# KiCad board for_real_486_2.kicad_pcb (continued)
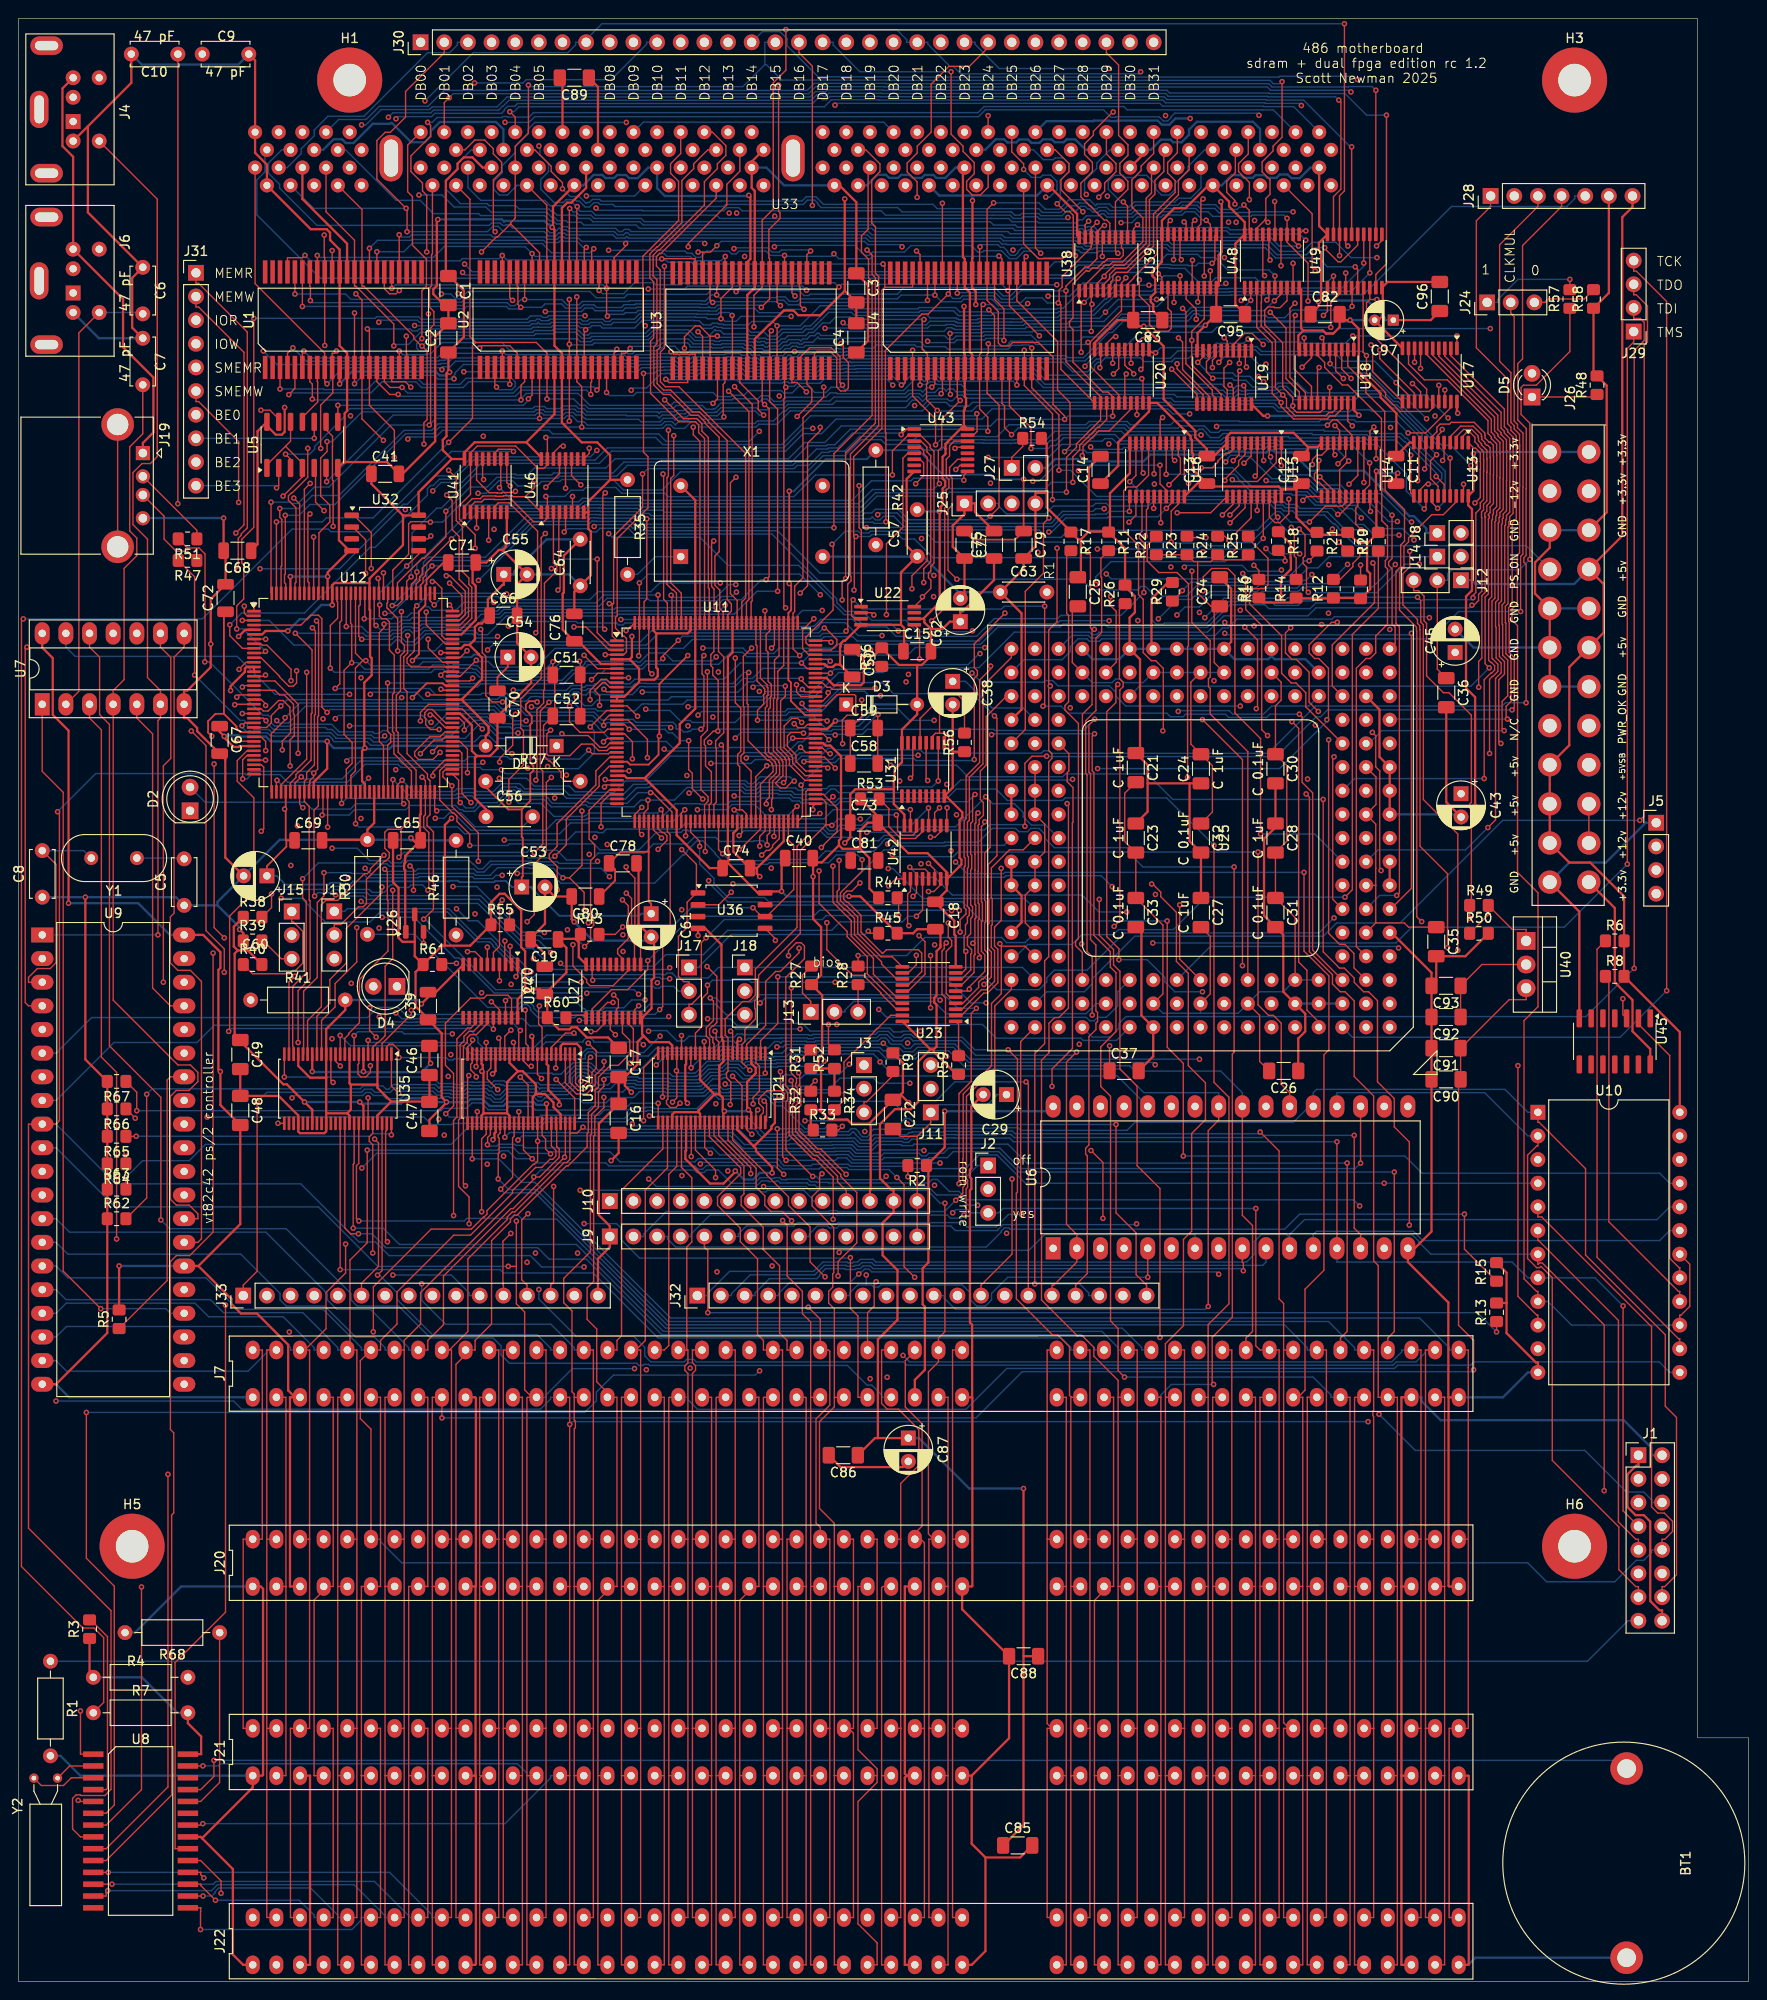
[diagram p0: board, top side]
## Routing (per net, layer and track width the routed paths; a pad name or vN(x,y) marks a point on that pad's centre or on a via; arc(x,y) is an arc through that point) (continued)
RESET: length 169.1
  Top w0.15: U42.10 99.05,123.5 98.44,122.9 v1(97.95,122.9) ; U12.73 47.26,129.02 47.26,126.79 v1(47.43,126.62) ; U11.39 67.18,125.52 67.6,125.94 v1(67.6,126.88) ; U31.10 98.78,128.94 v1(98.78,128.94) ; v1(0.89,143.31) 0.71,143.14 0.71,105.14 1.06,104.78 U9.4
  In1.Cu w0.15: 10.16,143.31 10.39,143.07 22.78,143.07 23.14,143.43 28.94,143.43 31.52,140.85 31.52,140.47 40.81,131.18 40.93,131.18 41.53,130.57 41.53,130.34 45.11,126.76 47.29,126.76 v1(47.43,126.62) ; 10.16,143.31 U7.11 ; 10.16,143.31 v1(0.89,143.31)
  In2.Cu w0.15: v1(98.78,128.94) 98.33,128.49 98.33,123.28 v1(97.95,122.9)
  Bottom w0.15: v1(47.43,126.62) 48.01,126.04 48.83,126.04 49.16,126.38 49.16,126.49 49.27,126.6 51.38,126.6 51.73,126.96 51.73,127.05 52.27,127.59 53.14,127.59 53.33,127.4 53.57,127.4 54.02,126.95 56.42,126.95 57.21,126.17 60.16,126.17 60.27,126.28 60.38,126.28 60.46,126.37 60.94,126.37 61.14,126.17 66.1,126.17 66.81,126.88 v1(67.6,126.88) 70.44,126.88 71.81,128.24 72.31,128.24 72.34,128.27 77.78,128.27 78.1,127.94 79.2,127.94 79.55,128.3 81.82,128.3 81.93,128.19 83.47,128.19 83.74,127.92 84.28,127.92 84.47,128.11 86.77,128.11 87.09,128.42 92.3,128.42 92.42,128.3 98.14,128.3 v1(98.78,128.94)
rom_en: length 153.8
  Top w0.15: U6.22 136.52,95.46 135.62,96.36 135.62,102.92 134.78,103.76 134.27,103.76 133.13,104.89 v1(133.13,121.3) ; U11.55 75.18,121.57 v1(75.63,121.12)
  In1.Cu w0.15: v1(61.2,113.69) 62.74,115.24 65.24,115.24 65.81,115.8 65.81,115.92 69.44,119.54 74.05,119.54 v1(75.63,121.12)
  In2.Cu w0.15: v1(61.2,113.69) 61.39,113.49 61.39,109.28 59.87,107.75 59.87,107.39 59.65,107.17 59.65,102.97 59.75,102.87 59.75,102.6 60.48,101.87 60.48,101.87 59.68,101.07 59.68,100.32 59.45,100.08 59.45,100.02 59.44,100.01 59.44,97.55 59.12,97.23 59.12,96.27 58.98,96.14 58.98,96.07 58.95,96.03 58.95,94.87 58.95,94.86 58.95,94.78 59.08,94.66 59.08,91.14 59.37,90.85 59.37,89.4 59.57,89.2 59.57,88.14 59.37,87.95 59.37,75.11 59.69,74.79 J33.15
  Bottom w0.15: v1(133.13,121.3) 119.75,121.3 119.29,121.77 111.25,121.77 110.21,122.81 110.21,123.24 109.6,123.84 108.72,123.84 108.37,123.49 107.46,123.49 107.1,123.85 104.59,123.85 103.12,122.37 99.48,122.37 99.4,122.29 94.03,122.29 93.59,122.74 93.11,122.74 92.77,122.4 92.77,122.31 91.86,121.4 86.65,121.4 85.75,120.5 80.46,120.5 80.34,120.38 76.37,120.38 v1(75.63,121.12)
rtc_en: length 140.3
  Top w0.15: U8.20 16.8,14.25 16.8,34.24 22.22,39.66 v1(22.22,72.65) ; v1(71.64,123.04) 71.68,123.08 U11.48
  In1.Cu w0.15: v1(71.22,115.11) 69.68,113.56 66.87,113.56 61.02,107.7 61.02,107.1 56.07,102.15 56.07,101.59 52.52,98.05 50.67,98.05 50.33,97.71 50.33,97 46.46,93.13 46.46,92.96 46.12,92.62 45.96,92.62 36.93,83.59 31.97,83.59 22.22,73.84 v1(22.22,72.65)
  In2.Cu w0.15: v1(71.22,115.11) 71.8,115.68 71.8,122.88 v1(71.64,123.04)
S1: length 93.8
  Top w0.15: v1(25.26,178.63) 25.26,156.18 23.97,154.89 23.97,152.32 24.18,152.12 24.18,148.49 23.43,147.74 v1(23.43,145.27) ; U12.10 26.34,142.68 v1(26.52,142.86)
  In2.Cu w0.15: v1(60.84,178.91) 60.84,184.24 65.84,189.24 65.84,194.61 U33.30
  Bottom w0.15: v1(60.84,178.91) 56.95,178.91 56.81,178.78 56.76,178.72 56.28,178.72 56.11,178.89 54.98,178.89 54.63,178.54 43.22,178.54 42.97,178.79 38.44,178.79 38.29,178.63 v1(25.26,178.63) ; v1(26.52,142.86) 24.11,145.27 v1(23.43,145.27)
S2: length 105.3
  Top w0.15: U12.9 24.04,143.18 22.69,144.54 v1(22.69,145.71)
  In2.Cu w0.15: U33.45 91.78,191.98 91.78,182.84 87.92,178.98 87.92,176.31 87.77,176.16 87.77,169.49 85.3,167.03 v1(85.3,166.81)
  Bottom w0.15: v1(22.69,145.71) 23.95,146.97 30.69,146.97 37.75,154.03 38.31,154.03 43.91,159.64 43.91,160.33 44.25,160.67 44.53,160.67 45.22,161.36 46.82,161.36 48.87,163.4 61.92,163.4 63.23,164.72 82.16,164.72 84.26,166.81 v1(85.3,166.81)
SA0: length 162.1
  Top w0.15: v1(43.93,199.68) 44.25,199.36 44.25,198.19 42.14,196.08 42.14,194.39 43.38,193.15 43.38,192.31 43.84,191.85 v1(43.84,185.76) ; v1(45.36,138.79) 45.47,138.68 U12.91
  In1.Cu w0.15: v1(47.19,181.29) 47.19,182.4 v1(43.84,185.76)
  In2.Cu w0.15: v1(47.19,181.29) 48.39,180.09 48.39,171.45 47.76,170.81 47.76,153.52 47.22,152.98 47.22,146.93 46.18,145.89 46.18,139.61 v1(45.36,138.79)
  Bottom w0.15: v1(43.93,199.68) 44.42,199.68 44.94,200.2 51.93,200.2 52.03,200.3 52.47,200.3 52.52,200.24 54.82,200.24 55.3,200.72 103.04,200.72 103.7,201.37 118.72,201.37 119.07,201.02 133.61,201.02 133.61,201.01 134.77,201.01 U33.165
SA1: length 151.2
  Top w0.15: U12.90 44.01,138.18 v1(43.94,138.24)
  In1.Cu w0.15: v1(41.54,158.08) 43.5,158.08 45.65,160.24 48.95,160.24 v1(49.35,159.84)
  In2.Cu w0.15: v1(43.94,138.24) 43.94,142.68 43.26,143.36 43.26,146.45 41.74,147.97 41.74,148.26 41.44,148.57 41.44,150.28 41.07,150.65 41.07,152.22 41.12,152.27 41.12,157.66 v1(41.54,158.08) ; U33.166 138.43,194.42 137.04,193.03 137.04,192.46 134.09,189.52 133.96,189.52 130.42,185.98 130.42,176.5 129.5,175.58 129.5,172.65 129.03,172.19 129.03,171.94 127.01,169.92 v1(127.01,166.1)
  Bottom w0.15: v1(49.35,159.84) 50.23,159.84 51.59,161.19 53.05,161.19 53.62,160.62 55.7,160.62 56.18,161.11 58.14,161.11 58.35,161.32 63.84,161.32 64.97,160.19 69.14,160.19 71.08,162.13 84.67,162.13 86.42,163.88 88.77,163.88 90.48,165.6 92.63,165.6 93.15,165.08 96.71,165.08 97.32,164.47 99.07,164.47 99.83,165.24 103.55,165.24 103.58,165.21 107.04,165.21 107.06,165.24 110.54,165.24 110.82,165.51 111.39,165.51 112.02,166.14 115.25,166.14 115.6,166.49 118.46,166.49 118.85,166.1 v1(127.01,166.1)
SA2: length 167.3
  Top w0.15: v1(43.16,135.39) 43.16,136.3 44.04,137.18 U12.88
  In2.Cu w0.15: v1(43.16,135.39) 43.16,142.96 42.85,143.27 42.85,146.21 41.39,147.67 41.39,148.12 40.72,148.79 40.72,152.37 40.73,152.39 40.73,163.25 41.81,164.32 v1(41.81,165.66) ; v1(79.56,166.49) 80.74,167.67 80.74,175.79 82.05,177.1 82.05,179.26 82.46,179.68 82.46,184.39 83.55,185.47 83.55,197.38 v1(87.69,201.53)
  Bottom w0.15: U33.167 136.96,201.37 133.76,201.37 133.7,201.42 122.88,201.42 122.58,201.72 87.88,201.72 v1(87.69,201.53) ; v1(79.56,166.49) 78.49,165.42 69.53,165.42 68.74,166.21 57.36,166.21 56.97,166.6 45.54,166.6 44.83,165.88 42.03,165.88 v1(41.81,165.66)
SBHE: length 65.3
  Top w0.15: J20.81 110.48,47.5 ; 110.48,47.5 110.48,27.69 110.99,27.18 ; 110.48,47.5 110.48,67.82 J7.81 ; J21.81 110.99,27.18 ; 110.99,27.18 110.48,27.18 110.48,6.86 J22.81
SCL: length 148.5
  Top w0.15: U11.63 79.18,129.4 v1(80.36,130.57) ; J28.4 165.74,190.64 161.54,186.45 161.54,174.28 161.03,173.76 161.03,167.71 161.94,166.79 161.94,160.36 161.93,160.34 161.93,153.15 161.69,152.91 161.69,152.44 161.93,152.2 v1(161.93,137.34)
  Bottom w0.15: v1(80.36,130.57) 83.07,130.57 84.11,131.61 86.11,131.61 86.94,132.44 87.42,132.44 87.58,132.28 96.86,132.28 97.22,131.92 109.86,131.92 110.12,132.18 110.71,132.18 110.98,131.91 134.21,131.91 139.29,136.98 159.35,136.98 159.71,137.34 v1(161.93,137.34)
SDA: length 145.2
  Top w0.15: v1(78.73,143.21) 77.84,142.32 77.84,136.98 77.91,136.91 77.91,131.97 77.58,131.64 77.58,131.08 78.68,129.99 U11.62
  In2.Cu w0.15: v1(78.73,143.21) 78.73,147.67 83.85,152.78 83.85,167.17 84.2,167.52 84.2,168.93 84.03,169.1 84.03,174.97 v1(86.61,177.55)
  Bottom w0.15: J28.5 167.15,191.77 167.15,191.49 166.3,190.64 153.92,190.64 144.45,181.18 133.85,181.18 133.8,181.13 130.24,181.13 130.21,181.1 123.49,181.1 122.29,179.9 118.18,179.9 116.57,178.29 112.88,178.29 112.61,178.03 110.18,178.03 108.06,178.03 107.9,177.87 106.53,177.87 106.51,177.89 103.34,177.89 103.23,177.78 100.71,177.78 100.61,177.87 100.49,177.87 100.4,177.96 99.63,177.96 99.54,177.87 97.93,177.87 97.64,177.58 86.64,177.58 v1(86.61,177.55)
SDRAM_HIGH_BUS: length 66.7
  Top w0.15: v1(75.48,132.81) 75.68,132.61 U11.56 ; U12.11 26.03,142.18 28.03,140.18 28.03,140.11 29.02,139.12 29.52,139.12 29.86,139.46 v1(29.86,140.77)
  In1.Cu w0.15: v1(29.86,140.77) 35.55,135.09 v1(35.55,134.86)
  Bottom w0.15: v1(35.55,134.86) 39.54,134.86 39.75,134.66 44.55,134.66 46.05,136.15 50.48,136.15 50.8,135.83 51.27,135.83 52.01,135.1 52.95,135.1 53.12,134.92 53.18,134.92 53.26,135.01 54.03,135.01 54.22,134.82 54.75,134.82 55.3,135.37 61.59,135.37 62.27,134.69 62.27,134.66 63.75,133.18 69.58,133.18 70.26,132.5 75.17,132.5 v1(75.48,132.81)
SDRAM_HWORD: length 169.3
  Top w0.15: v1(28.63,135.74) 28.63,135.51 27.14,134.02 27.14,127.82 U12.37 ; v1(73.29,134.5) 73.61,134.83 73.61,140.22 73.41,140.43 73.41,142.2 v1(73.61,142.41) ; 114.22,180.34 v1(114.46,180.34) ; 114.22,180.34 113.92,180.65 U38.1 ; 114.22,180.34 114.13,180.25 v1(114.13,174.99) ; U49.1 140.58,179.37 v1(140.15,178.94) ; v1(131.32,180.55) 131.69,180.92 U48.1 ; U39.1 122.8,183.04 v1(122.42,183.42)
  In1.Cu w0.15: v1(129.68,182.38) 131.32,180.73 v1(131.32,180.55) 133.53,178.35 139.56,178.35 v1(140.15,178.94) ; v1(73.61,142.41) 77.39,146.19 81.84,146.19 84.19,148.54 84.53,148.87 84.53,149.17 87.68,152.32 92.49,152.32 100.35,160.18 111.42,160.18 113.5,162.27 v1(113.84,162.27)
  In2.Cu w0.15: v1(113.84,162.27) 113.6,162.52 113.6,174.45 v1(114.13,174.99) ; v1(121.41,182.19) 122.42,183.19 v1(122.42,183.42)
  Bottom w0.15: v1(28.63,135.74) 30.2,137.31 51.28,137.31 51.91,136.68 52.26,136.68 52.59,137.02 53.98,137.02 54.67,136.33 61.82,136.33 62.66,135.48 63,135.48 63.07,135.55 66,135.55 66.31,135.24 69.8,135.24 69.8,135.25 70.28,135.25 70.62,134.91 70.62,134.58 70.7,134.5 71.11,134.5 71.4,134.21 71.88,134.21 71.95,134.28 72.14,134.28 72.36,134.5 v1(73.29,134.5) ; v1(114.46,180.34) 115.25,181.14 116.72,181.14 117.77,182.19 v1(121.41,182.19) 129.48,182.19 v1(129.68,182.38)
SDRAM_LATCH: length 199.3
  Top w0.15: 146.44,187.65 146.44,186.98 v1(145.86,186.4) ; U38.11 119.77,188.26 v1(120.18,188.68) ; v1(138.27,188.02) 137.92,188.02 U48.11 ; 128.65,187.65 128.49,187.48 128.49,184.83 v1(128.2,184.54) ; v1(27.75,129.01) 27.69,128.95 U12.38
  In1.Cu w0.15: v1(145.86,186.4) 144.24,188.02 v1(138.27,188.02) 138.26,188.02 131.56,188.02 128.2,184.65 v1(128.2,184.54)
  In2.Cu w0.15: v1(37.59,129.24) 37.43,129.4 37.43,131.9 37.78,132.25 37.78,133.43 37.02,134.2 37.02,139.45 37.35,139.79 37.35,140.61 36.72,141.24 36.72,143.14 36.28,143.58 36.28,151.18 38.12,153.02 38.12,175.34 44.92,182.14 46.27,182.14 v1(47.69,183.55)
  Bottom w0.15: v1(120.18,188.68) 120.49,188.38 124.23,188.38 124.23,188.37 129.9,188.37 130.14,188.14 138.15,188.14 v1(138.27,188.02) ; v1(37.59,129.24) 36.8,128.45 28.31,128.45 v1(27.75,129.01) ; v1(128.2,184.54) 126.71,184.54 126.46,184.28 125.65,184.28 125.58,184.35 123.82,184.35 123.75,184.42 116.86,184.42 116.79,184.35 113.81,184.35 112.75,183.29 47.96,183.29 v1(47.69,183.55)
SDRAM_SCL: length 141.8
  Top w0.15: v1(43.99,144.16) 43.99,143.22 45.54,141.68 U12.97
  In1.Cu w0.15: v1(130.78,188.95) 131.37,188.37 136.42,188.37 U33.83
  In2.Cu w0.15: v1(125.78,168.36) 125.78,171.78 128.82,174.81 128.82,186.98 v1(130.78,188.95) ; v1(44.49,160.09) 43.65,159.26 43.65,151.96 45.23,150.38 45.23,147.35 43.99,146.12 v1(43.99,144.16)
  Bottom w0.15: v1(125.78,168.36) 123.97,168.36 123.43,168.9 104.56,168.9 103.46,167.8 87.8,167.8 86.23,166.23 84.26,166.23 82.39,164.37 63.71,164.37 62.39,163.05 49.65,163.05 47.61,161 45.4,161 v1(44.49,160.09)
SDRAM_SDA: length 149.2
  Top w0.15: U12.96 42.17,141.18 41.72,141.63 41.72,142.11 42.06,142.45 42.5,142.88 42.5,147.49 v1(42.77,147.76)
  In1.Cu w0.15: v1(112.71,189.46) 115.13,187.03 126.5,187.03 126.85,187.38 127.59,187.38 129.03,188.82 129.03,189.34 129.58,189.88 134.43,189.88 137.16,192.61 U33.82
  In2.Cu w0.15: v1(62.03,190.47) 61.56,190.01 61.56,188.9 57.15,184.49 57.15,171.31 56.08,170.24 56.08,169.43 54.49,167.84 54.49,152.53 53.51,151.55 53.51,150.1 v1(52.42,149.01)
  Bottom w0.15: v1(112.71,189.46) 112.55,189.3 109.66,189.3 109.43,189.53 107.9,189.53 107.72,189.36 106.85,189.36 106.5,189.71 104.67,189.71 104.66,189.71 93.12,189.71 92.65,190.17 77.7,190.17 77.36,190.51 76.08,190.51 75.75,190.17 67.05,190.17 66.99,190.24 62.26,190.24 v1(62.03,190.47) ; v1(52.42,149.01) 52.33,149.1 44.11,149.1 v1(42.77,147.76)
SHIFT_CLK_EN: length 101.4
  Top w0.15: v1(56.63,165.83) 56.8,165.67 U46.15 56.8,162.89 56.41,162.5 55.79,162.5 53.39,164.91 49.26,164.91 48.54,164.19 U41.15 48.54,159.73 47.35,158.54 47.35,157.06 49.04,155.37 v1(49.04,153.94) ; U12.79 45.06,132.68 v1(44.46,132.08) ; U43.15 102.57,166.09 102.95,166.47 102.95,168.35 v1(102.92,168.38)
  In2.Cu w0.15: v1(44.46,132.08) 44.46,134.57 47.23,137.34 47.23,145.18 48.11,146.06 48.11,146.06 48.81,146.76 48.81,153.71 v1(49.04,153.94)
  Bottom w0.15: v1(56.63,165.83) 68.42,165.83 69.18,165.07 81.97,165.07 85.06,168.16 102.7,168.16 v1(102.92,168.38)
SHIFT_EN: length 55.5
  Top w0.15: v1(94.8,166.14) 95.4,166.74 U43.1 ; U46.1 54.44,159.49 ; 54.44,159.49 55.41,160.46 v1(55.41,161.24) ; 54.44,159.49 54.42,159.47 53.13,159.47 53.03,159.57 52.09,159.57 52.04,159.51 51.27,159.51 51.23,159.55 49.87,159.55 49.59,159.26 48.73,159.26 47.89,158.42 U41.1
  Bottom w0.15: v1(55.41,161.24) 55.64,161.46 57.9,161.46 58.1,161.67 64.23,161.67 65.4,162.84 83.15,162.84 83.5,163.19 84.3,163.19 85.7,164.59 86.88,164.59 86.99,164.7 87.96,164.7 89.55,166.3 94.64,166.3 v1(94.8,166.14)
SMEMR: length 110.1
  Top w0.15: v1(48.39,81.38) 48.39,84.25 47.26,85.38 47.26,92.52 47.42,92.69 47.42,100.6 47.84,101.01 47.84,101.5 48.38,102.04 48.87,102.04 49.7,102.88 U24.14 ; J22.12 54.11,1.78 54.11,22.1 ; J21.12 54.11,22.1 ; 54.11,22.1 54.11,42.42 54.11,42.42 ; 54.11,42.42 54.11,62.74 J7.12 ; 54.11,42.42 J20.12
  In2.Cu w0.15: J7.12 52.06,62.74 52.06,70.11 50.68,71.5 50.68,79.09 v1(48.39,81.38)
SMEMW: length 109.3
  Top w0.15: U24.13 49.05,102.87 48.58,102.4 48.23,102.4 47.07,101.23 47.07,92.84 46.72,92.48 v1(46.72,82.25) ; 49.52,42.42 49.52,22.1 49.77,22.1 ; 49.52,42.42 49.52,62.74 J7.11 ; 49.52,42.42 J20.11 ; 49.77,22.1 49.52,21.85 49.52,1.78 J22.11 ; 49.77,22.1 J21.11
  In2.Cu w0.15: J7.11 49.52,62.74 49.52,70.11 48.13,71.5 48.13,80.82 46.72,82.23 v1(46.72,82.25)
SMIACT: length 66.6
  In1.Cu w0.15: v1(92.39,104.39) 87.58,99.58 86.41,99.58 84.71,97.89 84.71,97.2 84.7,97.19 84.7,97.18 84.16,96.63 84.04,96.63 83.91,96.5 83.91,96.38 83.36,95.83 81.52,95.83 80.66,94.97 80.66,94.06 79.63,93.03 79.15,93.03 79.08,93.1 78.7,93.1 78.64,93.04 78.16,93.04 77.98,93.21 76.38,93.21 76.05,92.89 75.71,92.89 67.17,84.34 67.17,83.82 J10.2
  Bottom w0.15: v1(92.39,104.39) 93.23,103.55 114.67,103.55 115.05,103.18 115.52,103.18 115.9,103.55 116.83,103.55 118.06,104.78 118.06,106.3 U25.C12
SPI_SS: length 132
  Top w0.15: v1(71.22,121.56) 72.8,119.99 72.8,116.91 ; 72.8,116.91 71.8,115.91 71.8,113.19 70.87,112.26 70.87,107.95 71.45,107.38 72.01,107.38 J17.2 ; 72.8,116.91 U36.1 ; v1(83.61,126.21) 83.18,125.78 U11.71 ; v1(43.5,114.09) 44.55,115.14 44.55,123.47 43.87,124.16 43.87,124.99 44.19,125.31 U12.71 44.19,128.97 44.08,129.09 44.08,129.09 43.91,129.25 43.91,129.68 41.72,131.87 41.72,138.52 41.37,138.87 41.37,142.25 41.78,142.67 v1(41.78,144.56) ; v1(37.88,151.76) 37.88,155.6 36.01,157.48 U32.1
  In1.Cu w0.15: J15.2 30.46,112.38 31.87,113.79 35.42,113.79 35.77,114.14 38.34,114.14 38.76,113.71 43.12,113.71 v1(43.5,114.09) ; v1(72.91,125.86) 71.04,123.98 71.04,121.75 v1(71.22,121.56)
  In2.Cu w0.15: v1(41.78,144.56) 41.78,144.6 40.11,146.28 40.11,146.99 39.64,147.45 39.56,147.54 39.56,147.94 37.88,149.62 v1(37.88,151.76)
  Bottom w0.15: v1(43.5,114.09) 43.68,114.09 51.25,106.51 55.05,106.51 55.27,106.73 63.39,106.73 63.54,106.88 68.18,106.88 68.37,106.69 68.85,106.69 69.04,106.88 70.37,106.88 70.88,106.37 J17.2 ; v1(83.61,126.21) 82.69,125.28 80.19,125.28 79.06,126.41 76.62,126.41 76.28,126.07 76.28,125.98 76.16,125.86 v1(72.91,125.86)
sram_en: length 148.3
  Top w0.15: v1(33.78,156.29) 33.79,156.29 33.79,161.19 33.71,161.27 33.71,164.81 33.71,164.82 33.71,165.97 33.02,166.66 U5.9 ; v1(28.4,159.54) 30.48,161.61 U5.4 30.48,163.07 28.67,164.89 ; 28.67,164.89 26.67,162.89 U5.1 ; 28.67,164.89 29.21,165.43 U5.12 ; v1(61.54,139.82) 62.22,140.5 U11.8
  In1.Cu w0.15: v1(54.69,130.31) 53.74,130.31 52.39,131.65 48.22,131.65 46.8,133.07 44.16,133.07 38.71,138.52 38.71,138.63 38.17,139.17 37.64,139.17 v1(36.78,140.03) ; v1(33.78,156.29) 33.56,156.29 31.45,158.39 29.17,158.39 28.63,158.94 28.63,159.31 v1(28.4,159.54)
  In2.Cu w0.15: v1(36.78,140.03) 36.37,140.44 36.37,141.87 35.93,142.31 35.93,154.14 v1(33.78,156.29) ; v1(61.54,139.82) 60.98,139.82 59.28,138.12 59.28,137.71 59.75,137.24 59.75,136.76 59.41,136.42 59.25,136.42 57.77,134.94 57.77,134.16 57.39,133.78 56.9,133.78 54.69,131.57 v1(54.69,130.31) 54.69,127.78 53.71,126.8 53.71,122.76 48.52,117.58 48.52,116.92 48.09,116.49 48.09,111.7 46.06,109.66 46.06,106.38 45.28,105.6 45.28,98.81 44.45,97.98 J33.9
STPCLK: length 110
  Top w0.15: R21.2 139.47,153.44 v1(138.62,152.58)
  In2.Cu w0.15: v1(116.83,151.17) 116.02,151.17 114.97,150.13 114.97,144.98 115.34,144.61 115.34,136.13 114.97,135.76 114.97,120.98 U25.G15 110.44,116.46 110.44,114.96 109.4,113.92 108.91,113.92 107.9,112.91 107.9,112.44 106.61,111.14 105.91,111.14 105.64,110.88 105.44,110.88 97.46,102.9 96.79,102.9 93.46,99.58 93.46,98.37 93.19,98.1 93.19,92.04 87.73,86.58 87.73,82.9 86.36,81.53 J9.10
  Bottom w0.15: v1(138.62,152.58) 138.15,152.58 136.6,151.03 132.46,151.03 132.07,150.64 117.37,150.64 v1(116.83,151.17)
TC: length 199.7
  Top w0.15: J21.27 92.21,22.1 ; 92.21,22.1 92.21,22.83 90.16,24.88 90.16,42.42 J20.27 ; 92.21,22.1 92.21,21.37 90.16,19.31 90.16,6.18 92.21,4.13 92.21,1.78 J22.27 ; U46.3 57.44,152.35 57.81,151.99 57.81,151.51 56.48,150.18 56.48,138.75 56.39,138.66 56.39,137.3 55.67,136.58 55.67,129.15 v1(55.56,129.04) ; J7.27 90.16,62.74 90.16,71.47 89.35,72.28 v1(89.35,77.74)
  In1.Cu w0.15: v1(55.56,129.04) 55.56,128.32 58.75,125.13 60.47,125.13 63.22,122.37 v1(63.22,122.11)
  In2.Cu w0.15: J7.27 90.16,62.74 90.16,42.42 J20.27 ; v1(60.74,81.39) 60.91,81.56 60.91,90.9 61.19,91.18 61.19,96.95 60.5,97.63 60.5,99.64 61.04,100.19 61.52,100.19 62.46,101.14 62.46,103.94 62.11,104.29 62.11,106.82 62.53,107.24 62.53,119.83 62.76,120.07 62.76,121.65 v1(63.22,122.11)
  Bottom w0.15: v1(60.74,81.39) 64.23,81.39 64.7,80.92 64.7,79.69 66.7,77.69 89.29,77.69 v1(89.35,77.74)
TE0: length 199.1
  Top w0.15: U11.1 63.76,144.51 63.76,147.98 ; 63.76,147.98 v1(63.45,147.98) ; 63.76,147.98 63.91,147.98 63.91,155.22 67.02,158.33 v1(67.02,161.91) ; v1(149.25,166.32) 151.13,166.32 152.72,167.9 152.72,167.92 153.84,169.05 U17.19
  In2.Cu w0.15: v1(63.45,147.98) 58.36,142.88 58.36,141.62 53.94,137.2 53.94,135.84 53.61,135.51 53.27,135.51 51.68,133.92 51.68,131.87 50.16,130.36 49.57,130.36 45.91,126.7 45.91,119.97 42.99,117.05 42.99,116.62 42.93,116.55 42.93,105.97 42.33,105.38 42.33,105.28 42.06,105.01 42.06,105.01 41.6,104.55 41.6,101.91 41.43,101.74 41.43,83.81 36.14,78.51 36.14,76.63 34.29,74.79 J33.5
  Bottom w0.15: v1(149.25,166.32) 148.04,167.53 143.64,167.53 143.43,167.73 139.9,167.73 139.69,167.52 131.14,167.52 131.07,167.6 124.14,167.6 123.74,167.2 119.42,167.2 119.07,167.55 114.99,167.55 114.64,167.2 106.37,167.2 105.09,165.91 103.87,165.91 103.84,165.94 96.52,165.94 96.13,165.55 93.29,165.55 92.89,165.95 90.34,165.95 88.74,164.35 87.14,164.35 87.02,164.23 86.28,164.23 84.88,162.84 83.65,162.84 83.3,162.49 67.6,162.49 v1(67.02,161.91)
TE1: length 197.2
  Top w0.15: v1(42.41,117.2) 42.41,119.43 v1(42.04,119.81) ; J33.6 36.83,74.98 38.65,76.81 38.65,90.06 v1(38.24,90.48) ; v1(62.15,152.77) 62.15,144.87 63.51,143.5 U11.2 ; U18.19 142.77,167.57 v1(143.26,167.08)
  In1.Cu w0.15: v1(116.6,158.18) 117.21,158.79 123.91,158.79 124.32,158.38 124.86,158.38 125.15,158.09 130.75,158.09 131.42,157.42 133.67,157.42 134.48,158.22 135.62,158.22 135.91,157.94 137.53,157.94 138.09,158.49 138.18,158.49 140.78,161.09 140.78,164.6 v1(143.26,167.08) ; v1(92.27,157.54) 71.44,157.54 66.66,152.77 v1(62.15,152.77)
  In2.Cu w0.15: v1(38.24,90.48) 39.17,91.41 39.17,99.49 40.92,101.23 40.92,103.61 41.25,103.93 41.25,104.7 41.98,105.43 41.98,105.53 42.41,105.96 v1(42.41,117.2) ; v1(42.04,119.81) 44.11,121.88 44.11,127.3 46.65,129.84 46.65,131.64 48.45,133.45 48.45,135.04 51.05,137.64 51.05,137.81 51.43,138.2 51.43,143.12 53.19,144.88 53.19,147.38 57.23,151.42 v1(57.23,151.75)
  Bottom w0.15: v1(116.6,158.18) 115.69,158.18 115.4,157.89 112.13,157.89 111.25,157.02 111.25,156.95 110.92,156.61 95.47,156.61 94.36,157.72 92.45,157.72 v1(92.27,157.54) ; v1(57.23,151.75) 58.25,152.77 v1(62.15,152.77)
TE2: length 188.7
  Top w0.15: v1(131.59,171.4) 131.77,171.22 U19.19 ; U11.3 63.41,143 60.93,145.49 v1(59.65,145.49) ; v1(62.95,145.23) 62.75,145.43 62.75,159.61 v1(63.02,159.88)
  In2.Cu w0.15: v1(62.95,145.23) 61.6,143.88 61.6,141.78 58.24,138.42 58.24,136.8 57.54,136.1 57.46,136.1 53.76,132.41 53.76,128.46 52.55,127.24 52.42,127.24 52.08,126.9 52.08,123.82 51.08,122.82 51.08,122.7 49.26,120.88 49.14,120.88 48.81,120.54 48.81,119.43 47.24,117.86 47.24,117.34 46.91,117.01 46.81,117.01 44.86,115.06 44.86,107.26 44.51,106.91 44.51,106.32 44.19,106.01 44.19,102.37 42.62,100.8 42.62,77.48 39.93,74.79 39.37,74.79 J33.7 ; v1(63.02,159.88) 63.02,168.13 v1(65.8,170.91)
  Bottom w0.15: v1(59.65,145.49) 62.69,145.49 v1(62.95,145.23) ; v1(131.59,171.4) 130.86,171.4 130.7,171.24 130.7,171.23 130.36,170.89 129.88,170.89 129.23,171.55 110.23,171.55 108.92,172.86 98.78,172.86 98.77,172.87 97.42,172.87 97.41,172.86 90.1,172.86 90.05,172.82 88.99,172.82 88.93,172.88 88.81,172.88 88.72,172.79 86.22,172.79 85.83,172.41 84.49,172.41 84.45,172.37 83.35,172.37 83.01,172.03 82.91,172.03 82.79,172.15 82.02,172.15 81.9,172.03 77.78,172.03 77.25,172.56 73.42,172.56 73.26,172.72 73.13,172.72 72.78,172.37 70.26,172.37 69.92,172.72 69.51,172.72 69.48,172.69 68.98,172.69 67.44,171.14 66.03,171.14 v1(65.8,170.91)
TE3: length 170
  Top w0.15: v1(63.01,142.5) U11.4 65,142.5 65.29,142.79 65.29,144.24 65.06,144.47 64.99,144.47 64.11,145.35 64.11,146.51 64.29,146.7 64.29,154.96 67.6,158.27 67.6,163.77 67.12,164.25 v1(67.12,172.71) ; U20.19 120.77,172.02 v1(120.65,172.15)
  In2.Cu w0.15: J33.8 41.91,74.79 43.32,76.2 43.32,99.62 44.9,101.2 44.9,105.72 45.21,106.03 45.21,106.62 45.56,106.97 45.56,114.67 47.94,117.05 47.94,117.55 53.24,122.85 53.24,126.88 54.11,127.76 54.11,132.18 58.6,136.66 58.6,138.09 v1(63.01,142.5)
  Bottom w0.15: v1(67.12,172.71) 68.28,172.71 68.61,173.04 69.34,173.04 69.37,173.07 70.06,173.07 70.41,172.72 72.63,172.72 72.98,173.08 73.4,173.08 73.5,172.98 76.6,172.98 76.69,173.08 76.74,173.08 76.9,172.91 77.55,172.91 78.08,172.38 81.75,172.38 81.87,172.5 82.93,172.5 82.96,172.48 83.21,172.73 84.31,172.73 84.34,172.76 85.69,172.76 86.07,173.15 86.85,173.15 86.87,173.17 88.6,173.17 88.66,173.23 89.08,173.23 89.14,173.17 89.91,173.17 89.95,173.21 97.26,173.21 97.27,173.23 98.92,173.23 98.93,173.21 109.07,173.21 110.2,172.08 120.58,172.08 v1(120.65,172.15)
UNUSED0: length 52.1
  Top w0.15: U11.139 v1(68.68,148.92) ; v1(39.25,145.78) 39.25,145.38 38.74,144.87 38.74,133.19 39.19,132.74 U12.61
  Bottom w0.15: v1(68.68,148.92) 62.86,148.92 62.01,148.06 51.8,148.06 51.62,147.88 51.28,147.55 48.1,147.55 47.05,146.5 42.3,146.5 42.01,146.2 41.1,146.2 40.74,145.84 39.31,145.84 v1(39.25,145.78)
UP: length 64.5
  In2.Cu w0.15: U25.C11 120.73,106.42 120.73,101.47 120.09,100.83 v1(120.09,81.37)
  Bottom w0.15: J9.9 84.95,80.01 84.95,80.29 85.79,81.14 86.89,81.14 87.11,80.92 87.88,80.92 88.1,81.14 100.13,81.14 100.62,80.65 105.12,80.65 105.19,80.72 105.19,80.74 105.73,81.28 120,81.28 v1(120.09,81.37)
USBD+: length 64.3
  Top w0.15: U11.23 63.51,133 63.05,132.55 62.44,132.55 61.18,133.81 58.55,133.81 v1(58.35,134.01) ; v1(18.9,140.31) 18.9,150.87 R47.2
  Bottom w0.15: v1(18.9,140.31) 23.78,135.44 24.23,135.44 24.57,135.1 24.57,134.65 24.59,134.63 24.69,134.73 24.99,134.73 25.25,134.46 26.88,134.46 27.19,134.14 27.5,134.14 27.53,134.11 29.49,134.11 29.5,134.12 33.53,134.12 34.07,133.57 34.07,133.55 34.11,133.51 37.74,133.51 38.12,133.13 39.49,133.13 39.87,133.51 47.96,133.51 49.55,135.1 50.04,135.1 50.43,134.71 50.43,134.65 51.58,133.5 53.89,133.5 54.15,133.76 58.1,133.76 v1(58.35,134.01)
USBD-: length 69.1
  Top w0.15: v1(57.15,134.39) 56.74,133.98 56.74,131.82 56.91,131.65 59.21,131.65 60.45,132.89 61.6,132.89 62.3,132.2 63.2,132.2 63.48,132.49 64.25,132.49 U11.24 ; v1(19.99,141.73) 20.02,141.76 20.02,153.33 19.39,153.96 18.12,153.96 R51.2
  Bottom w0.15: v1(57.15,134.39) 54.15,134.39 53.89,134.66 53.41,134.66 53.18,134.43 53.12,134.43 52.8,134.74 51.39,134.74 50.33,135.8 48.46,135.8 46.52,133.86 40.04,133.86 39.56,134.35 39.08,134.35 38.77,134.04 38.2,134.04 38.03,134.21 34.43,134.21 33.61,135.03 29.41,135.03 29.2,134.81 27.82,134.81 27.79,134.84 27.49,134.84 27.15,135.18 27.15,135.66 26.81,136 26.24,136 20.51,141.73 v1(19.99,141.73)
W/R: length 230
  Top w0.15: U18.1 143.42,176.62 v1(143.3,176.73) ; v1(132.06,176.41) 132.42,176.04 U19.1 ; U25.N17 108.13,134.46 108.13,149.3 110.08,151.26 110.08,156.59 v1(110.68,157.19) ; v1(25.61,94.45) 25.61,76.27 24.13,74.79 J33.1 ; v1(122.13,174.93) 121.76,174.93 U20.1 ; 154.5,175.41 v1(154.5,176.73) ; v1(103.78,124.54) 103.78,124.4 103.42,124.04 103.42,121.39 103.43,121.38 103.43,119.07 103.42,119.06 103.42,115.97 103.52,115.86 103.52,113.93 103.42,113.83 103.42,110.63 103.78,110.27 103.78,108.48 102.12,106.82 v1(102.12,106.58) 101.91,106.37 U23.6